# Altium PCB board_layout.pcbdoc (part 3 of 3)
Units mil, origin at the board's own origin, x right, y up, seen from the top; angles counter-clockwise.
Board outline 3627.19 x 3509.21 mil, 2 copper layers (Top Layer, Bottom Layer), stack 61.811 mil thick; 199 components, 120 nets, 649 pads, 293 vias.
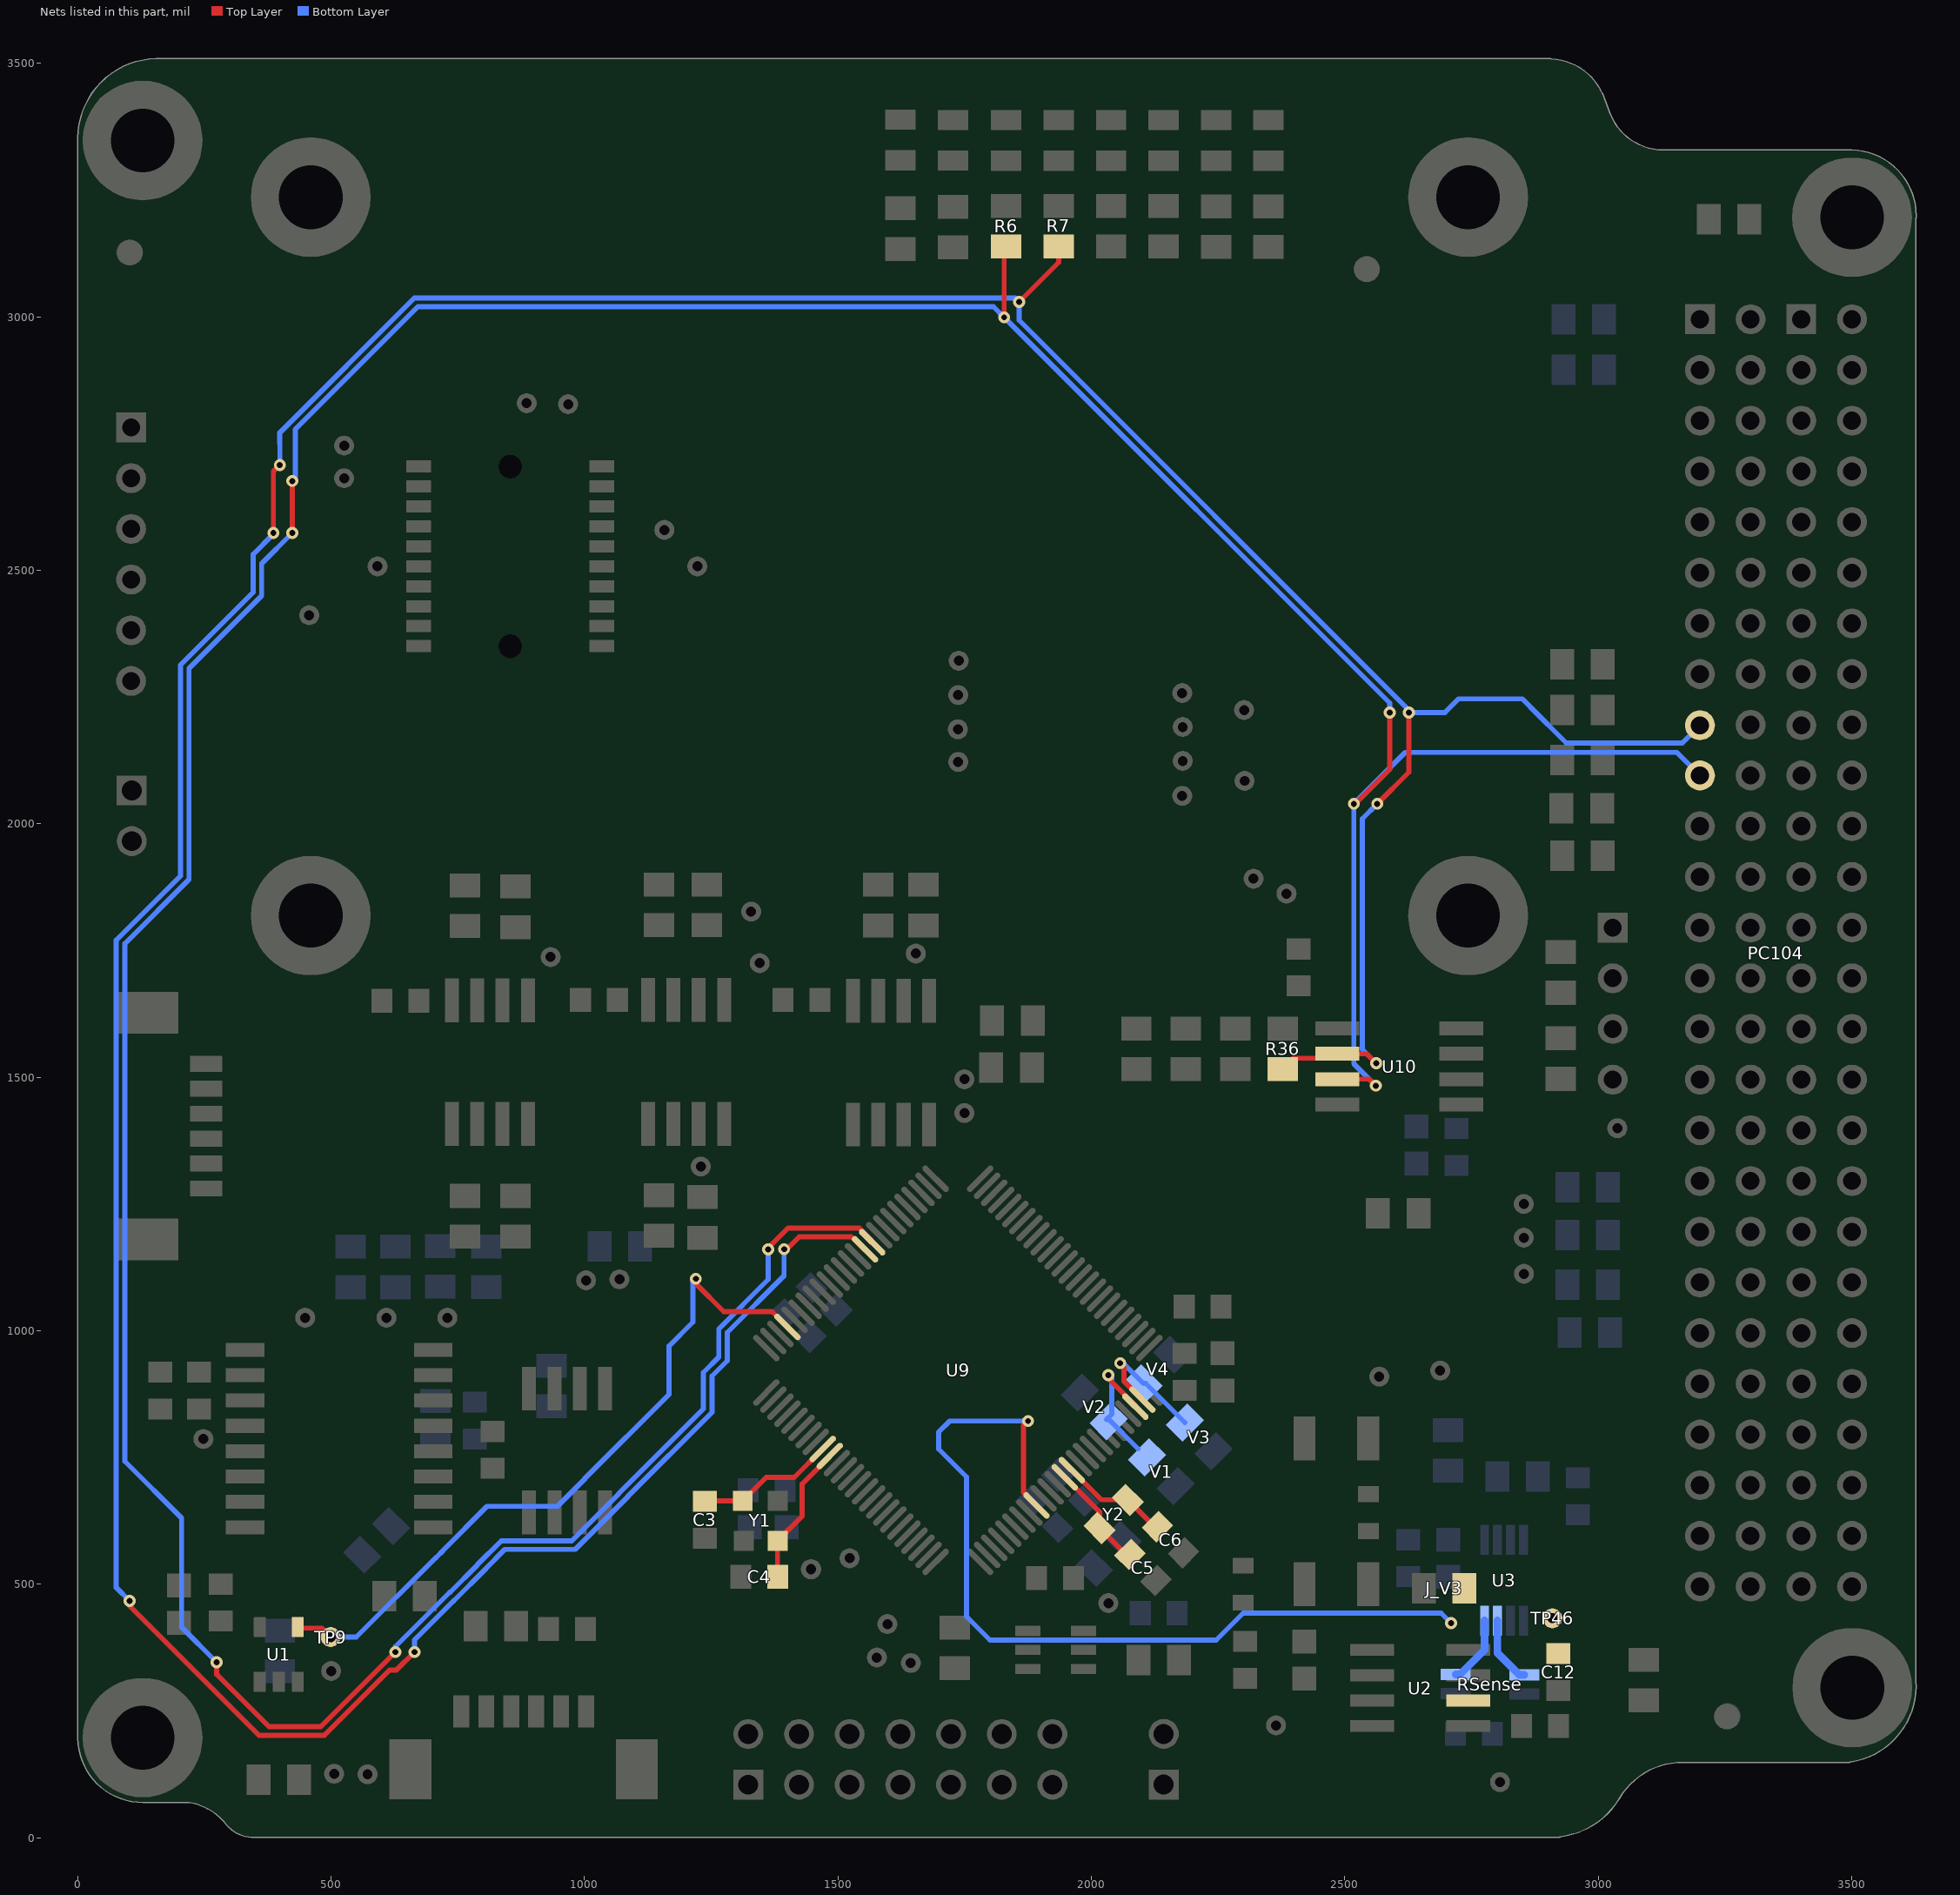
[diagram p3: the nets of this part, all layers, seen from the top]

## Via types
v1: diameter 23.62, hole 11.81, Top Layer to Bottom Layer, tented both sides, 247 vias
v2: diameter 31.5, hole 15.75, Top Layer to Bottom Layer, tented both sides, 28 vias
v3: diameter 31.5, hole 15.75, Top Layer to Bottom Layer, tented bottom, 8 vias
v4: diameter 31.5, hole 15.75, Top Layer to Bottom Layer, tented top, 8 vias
v5: diameter 31.5, hole 15.75, Top Layer to Bottom Layer, 2 vias

## Nets (pads, with @x,y where several pads share a name; then routed paths per layer and width w, separated by ;. In a path a pad name is that pad's centre, name@x,y a point inside that pad or via, vN(x,y) a via of type N, cw(c..) or ccw(c..) an arc to the next point about the centre after c; other vN are vias at no path point) (continued)
UART1_RX: PC104.H1-17 R7.2 R36.1 U9.61 U10.2 | length 8962.3
  Top Layer w10: v1(102.36,466.97) 102.36,457.24 357.83,201.77 486.64,201.77 615.62,330.75 628.98,330.75 v1(664.37,366.14) ; v1@386.15,2584.65 386.15,2695.12 v1(398.76,2707.72) ; v1(1393.7,1160.88) 1399.05,1160.88 1423.55,1185.38 1526.14,1185.38 U9.61@1550.94,1160.58 ; v1(1857.28,3029.53) 1935.46,3107.71 R7.2@1935.46,3139.04 ; R36.1@2377.12,1516.1 2398.42,1537.4 2476.53,1537.4 U10.2@2485.39,1546.26 2543.31,1546.26 v1(2562.01,1527.56) ; v1(2563.98,2039.37) 2626.52,2101.91 v1(2626.52,2219.49) v1@2626.52,2223.96
  Bottom Layer w10: v1(102.36,466.97) 76.06,493.28 76.06,1770.47 202.67,1897.09 202.67,2313.43 346.01,2456.77 346.01,2531.47 v1@386.15,2571.61 ; v1(398.76,2707.72) 398.8,2749.42 398.76,2771.66 664.13,3037.03 1849.78,3037.03 v1(1857.28,3029.53) 1857.28,2993.53 2626.52,2224.29 v1@2626.52,2223.96 ; v1(664.37,366.14) 664.37,390.11 741.27,467.01 741.91,467.01 805.63,530.73 805.63,531.37 842.8,568.54 981.7,568.54 1084.84,671.68 1084.84,672.3 1251.44,838.91 1251.44,910.45 1281.74,940.75 1281.74,996.42 1393.7,1108.38 v1(1393.7,1160.88) ; v1(2562.01,1527.56) 2534.72,1554.85 2534.72,2010.11 v1(2563.98,2039.37) ; v1(2626.52,2219.49) 2697.35,2219.49 2724.12,2246.26 2850.41,2246.26 2865.35,2231.32 2865.35,2231.11 2937.01,2159.45 3165.75,2159.45 PC104.H1-17@3200.59,2194.29
  other v1: 386.15,2573.66
UART1_TX: PC104.H1-19 R6.2 U9.60 U10.3 | length 8888.2
  Top Layer w10: v1(274.11,345.96) 274.11,322.13 377.48,218.77 479.6,218.77 v1(626.97,366.14) ; v1@423.23,2584.65 v1(423.23,2676.18) ; v1(1362.4,1160.43) 1362.4,1163.25 1401.53,1202.38 1542.01,1202.38 1564.85,1179.54 1564.85,1174.5 U9.60@1567.37,1174.5 ; v1(1827.76,2999.02) 1827.76,3134.82 R6.2@1831.97,3139.04 ; U10.3@2485.39,1496.26 2548.03,1496.26 v1(2561.02,1483.27) ; v1@2519.19,2037.89 2588.58,2107.28 v1(2588.58,2219.49)
  Bottom Layer w10: v1(274.11,345.96) 205.06,415.01 205.06,630.57 93.06,742.57 93.06,1763.43 219.67,1890.05 219.67,2306.39 363.01,2449.73 363.01,2513.44 v1(423.23,2573.66) ; v1(423.23,2676.18) 429.13,2682.09 429.13,2777.99 671.17,3020.03 1806.74,3020.03 v1(1827.76,2999.02) 2588.58,2238.19 v1(2588.58,2219.49) ; v1(626.97,366.14) 626.97,376.75 734.23,484.01 734.87,484.01 788.63,537.77 788.63,538.41 835.76,585.54 974.66,585.54 1067.84,678.72 1067.84,679.35 1234.44,845.95 1234.44,917.49 1264.74,947.79 1264.74,1003.46 1362.4,1101.12 v1(1362.4,1160.43) ; v1(2561.02,1483.27) 2517.72,1526.57 v1(2517.72,2039.37) 2619.28,2140.93 3154.94,2140.93 PC104.H1-19@3200.59,2095.28
VERSION_BIT0: U9.23 V1.1 V2.2 | length 264.2
  Top Layer w10: v1(2033.46,912.4) 2033.46,905.84 2086.57,852.74 U9.23@2086.57,850.18
  Bottom Layer w10: v1(2033.46,912.4) 2040.16,905.71 2040.16,835.25 2029.97,825.06 2034.19,825.06 2091.79,767.46
VERSION_BIT1: U9.24 V3.1 V4.2 | length 266.2
  Top Layer w10: v1(2056.77,936.02) 2063.98,928.82 2063.98,900.61 U9.24@2100.49,864.1
  Bottom Layer w10: v1(2056.77,936.02) 2062.53,936.02 V4.2@2102.62,895.93 2107.02,895.93 V3.1@2184.31,818.64
VREF: C12.1 J_V3.1 TP46.1 U2.6 U9.9 | length 1758.2
  Top Layer w10: v1(1875,821.85) 1866.14,812.99 1866.14,680.86 U9.9@1891.69,655.31
  Bottom Layer w10: v1(1875,821.85) 1720.47,821.85 1698.82,800.2 1698.82,766.48 1753.67,711.63 1753.67,435.87 1799.78,389.76 2246.06,389.76 2299.21,442.91 2689.96,442.91 v1(2709.65,423.23)
VSENSE2_N: RSense.4 U3.7 | length 135.1
  Bottom Layer w15: U3.7@2801.18,428.15 2801.18,364.17 2844.49,320.87 RSense.4@2854.33,320.87
VSENSE2_P: RSense.3 U3.8 | length 135
  Bottom Layer w15: RSense.3@2718.5,321.85 2727.16,321.85 2775.59,370.28 U3.8@2775.59,428.15
WDI_EXT: TP9.1 U1.4 U9.72 | length 1419.5
  Top Layer w10: U1.4@434.06,415.35 432.09,413.39 481.3,413.39 TP9.1@499.02,395.67 ; v1(1219.49,1102.51) 1219.49,1093.15 1274.84,1037.8 1370.01,1037.8 U9.72@1400.34,1007.47
  Bottom Layer w10: TP9.1@499.02,395.67 549.72,395.67 706.06,552.01 706.7,552.01 720.63,565.94 720.63,566.58 807.6,653.54 946.49,653.54 999.84,706.89 999.84,707.51 1166.44,874.12 1166.44,969.59 1213.74,1016.89 1213.74,1096.76 v1(1219.49,1102.51)
XT1IN: C5.2 U9.13 Y2.1 | length 210.2
  Top Layer w10: U9.13@1947.37,710.99 2016.01,642.35 Y2.1@2016.01,610.71 2067.97,558.74 C5.2@2075.95,558.74
XT1OUT: C6.2 U9.14 Y2.2 | length 219.7
  Top Layer w10: U9.14@1961.29,724.91 2019.81,666.39 Y2.2@2071.69,666.39 2127.22,610.85 C6.2@2133.79,610.85
XT2_N: C3.1 U9.84 Y1.1 | length 275.5
  Top Layer w10: C3.1@1237.2,663.39 1238.19,664.37 Y1.1@1312.01,664.37 1358.27,710.63 1413.9,710.63 U9.84@1469.94,766.66
XT2_P: C4.1 U9.85 Y1.3 | length 281.1
  Top Layer w10: C4.1@1380.8,514.2 1380.8,585.52 Y1.3@1380.91,585.63 1429.13,633.86 1429.13,697.58 U9.85@1484.08,752.52
pads on no net: FD1.FD0 FD2.FD0 FD3.FD0 FD4.FD0 FD5.FD0 FD6.FD0 MEC1.0 MEC2.0 MEC3.0 MEC5.0 MEC6.0 MEC7.0 P1.0 P2.3 P2.4 P2.5 P2.6 P2.8 P2.10 P2.11 P2.13 P3.None P4.0 PC104.H1-2 PC104.H1-4 PC104.H1-5 PC104.H1-6 PC104.H1-10 PC104.H1-13 PC104.H1-14 PC104.H1-15 PC104.H1-16 PC104.H1-22 PC104.H1-24 PC104.H1-25 PC104.H1-26 PC104.H1-27 PC104.H1-28 PC104.H1-33 PC104.H1-34 PC104.H1-36 PC104.H1-38 PC104.H1-42 PC104.H1-44 PC104.H1-47 PC104.H1-48 PC104.H1-49 PC104.H1-50 PC104.H1-51 PC104.H1-52 PC104.H2-1 PC104.H2-2 PC104.H2-5 PC104.H2-6 PC104.H2-7 PC104.H2-9 PC104.H2-10 PC104.H2-15 PC104.H2-16 PC104.H2-17 PC104.H2-19 PC104.H2-21 PC104.H2-23 PC104.H2-24 PC104.H2-25 PC104.H2-26 PC104.H2-27 PC104.H2-28 PC104.H2-33 PC104.H2-34 PC104.H2-37 PC104.H2-38 PC104.H2-43 PC104.H2-44 PC104.H2-47 PC104.H2-48 PC104.H2-50 PC104.H2-52 U2.1 U2.3 U2.7 U2.8 U3.4 U3.5 U5.4 U5.5 U5.6 U5.11 U5.12 U5.13 U5.14 U9.4 U9.16 U9.20 U9.29 U9.30 U9.41 U9.58 U9.59 U9.62 U9.76 U9.77 U9.78 U9.79 U9.80 U9.81 U9.82 U9.86 U9.87 U11.7
copper on no net: | length 651.6
  Top Layer w7.87: 419.29,3423.74 426.18,3423.74 ; 419.29,3456.22 426.18,3463.11 426.18,3423.74 ; 433.07,3423.74 426.18,3423.74 ; 395.67,3411.93 395.67,3474.92 454.72,3474.92 454.72,3411.93 395.67,3411.93
  Bottom Layer w7.87: 486.22,3456.22 493.11,3463.11 505.91,3463.11 511.81,3457.2 511.81,3449.33 486.22,3423.74 511.81,3423.74 ; 470.47,3411.93 470.47,3474.92 529.53,3474.92 529.53,3411.93 470.47,3411.93

## Polygon pours and split planes (outlines as drawn)
GND on Top Layer "Top Layer-GND 8" (solid, remove dead copper, pour order 146): 3626.35,3245.77 3549.21,3321.85 3123.9,3321.85 2941.69,3504.07 373.03,3504.07 87.6,3504.1 8.86,3425.36 8.86,152.56 93.5,67.91 243.43,67.91 313.98,-2.64 2922.02,-2.64 2983.35,-2.87 3138.78,152.56 3547.24,152.56 3626.35,231.66
3V3_MEMORY on Top Layer "Top Layer-3V3_MEMORY 1" (solid, pour order 144): 903.89,842.52 841.96,780.58 835.56,780.58 794.78,821.36 826.19,852.76 826.19,933.68 903.89,933.38
VREF on Top Layer "Top Layer-VREF" (solid, pour order 54): 2815.94,263.78 2864.17,263.78 2880.91,280.51 2880.91,342.52 2944.88,342.52 2944.88,441.93 2851.38,535.43 2692.91,535.43 2692.91,444.76 2692.91,414.37 2703.74,403.54 2718.5,403.54 2790.22,403.54 2817.76,376.01 2817.76,297.88 2796.81,276.93 2739.17,276.93 2739.17,263.78
JTAG_VCC on Top Layer "Top Layer-JTAG_VCC" (solid, pour order 28): 892.38,58.07 771.65,178.66 771.65,276.57 741.14,276.57 741.14,164.37 905.26,0.25 2177.16,0.25 2177.17,113.19 2076.77,113.19 2012.8,49.21 1272.89,49.21 1272.89,167.32 1345.47,167.32 1363.19,185.04 1363.19,226.69 1347.74,242.14 1271.67,242.14 1087.6,58.07
ANTENNA_VCC on Top Layer "Top Layer-ANTENNA_VCC" (solid, pour order 92): 1128.56,2005.91 1142.34,2019.69 1651.15,2019.69 1664.93,2005.91 1664.93,1977.5 398.76,1977.5 316.93,1895.67 316.93,1522.64 290.35,1496.06 290.35,1456.69 220.22,1456.69 220.22,1556.84 280.51,1617.13 280.51,1910.43 383.86,2013.78 495.08,2125 495.08,2296.26 144.68,2646.65 93.5,2646.65 76.24,2663.92 76.24,2811.02 177.56,2811.02 332.09,2965.55 1501.97,2965.55 1593.39,3056.97 1593.39,3144.68 1652.56,3144.69 1652.56,3103.35 1506.89,2957.68 1260.58,2957.68 336.12,2957.68 167.32,2788.88 167.32,2663.39 249.51,2581.2 276.57,2554.13 402.06,2554.13 439.97,2516.22 493.62,2516.22 608.27,2401.57 691.93,2401.57 691.93,2377.95 530.51,2377.95 530.51,2090.26 616.56,2005.91
3V3_Buffers on Top Layer "Top Layer-3V3_Buffers" (solid, pour order 16): 1088.58,1067.91 1116.14,1095.47 1116.14,1112.2 1116.14,1229.33 1276.57,1229.33 1276.57,1160.58 1154.2,1160.58 1135.72,1142.1 1135.72,1088.47 1097.92,1050.68 963.1,1050.68 875,1138.78 783.47,1138.78 579.72,1342.52 579.72,1430.12 652.56,1502.95 652.56,1841.54 714.57,1903.54 1708.66,1903.54 1944.39,1667.81 2021.75,1667.81 2058.17,1631.89 2282.48,1631.89 2352.36,1701.77 2438.98,1701.77 2514.76,1625.98 2544.29,1625.98 2610.82,1559.45 2610.82,1339.52 2600.39,1329.08 2600.39,1197.21 2540.35,1197.21 2540.35,1312.01 2589.57,1361.22 2589.57,1543.31 2566.93,1565.94 2054.13,1565.94 2034.45,1585.63 2002.95,1585.63 1937.99,1520.67 1937.99,1483.27 1847.44,1483.27 1847.44,1660.43 1789.85,1660.43 1750.98,1699.3 1750.98,1793.31 1704.72,1839.57 1541.74,1839.57 1541.74,1733.05 1552.17,1722.62 1552.17,1605.67 1468.32,1605.67 1443.59,1630.39 1443.59,1679.81 1518.34,1754.56 1518.34,1830.09 1480.32,1868.11 1312.01,1868.11 1280.51,1836.61 1106.94,1836.61 1083.87,1813.54 1083.87,1728.14 1101.38,1710.63 1123.03,1710.63 1138.78,1694.88 1138.78,1605.67 1067.56,1605.67 1044.29,1628.94 1044.29,1690.34 1058.07,1703.45 1058.07,1827.76 1044.29,1841.54 1017.72,1868.11 914.37,1868.11 882.87,1836.61 720.47,1836.61 720.47,1773.62 754.92,1739.17 754.92,1575.87 598.43,1419.37 598.43,1346.91 720.7,1224.63 889.03,1224.16 964.98,1148.21 965.98,1086.45 984.52,1067.91
3V3_Watchdog_Circuit on Top Layer "Top Layer-3V3_Watchdog_Circuit" (solid, pour order 22): 627.95,506.89 560.39,506.89 549.57,496.06 375.55,496.06 327.32,447.83 176.18,447.83 176.18,402.56 225.39,353.35 266.73,353.35 281.5,338.58 455.51,338.58 467.52,350.59 467.52,383.86 410.43,383.86 410.43,445.87 513.78,445.87 627.95,445.87
AGND on Top Layer "Top Layer-AGND 1" (solid, pour order 60): 3045.28,514.76 2960.41,599.63 2929.36,599.63 2907.51,577.78 2907.51,496.11 2955.08,448.54 2955.08,330.31 2897.64,330.31 2897.64,198.82 2915.35,181.1 2981.3,181.1 3045.28,245.08
OBDH_AVCC on Top Layer "Top Layer-OBDH_AVCC" (solid, pour order 36): 1943.6,307.27 1943.6,346.88 1901.7,388.78 1836.02,388.78 1836.02,427.55 1886.19,477.73 1915.35,477.73 1915.35,535.43 1844.49,535.43 1813.21,504.15 1790.62,503.67 1736.55,557.74 1702.76,523.95 1702.76,469.02 1721.97,449.8 1773.62,449.8 1773.62,369.66 1836.02,307.27 1873.6,269.69 2186.02,269.68 2351.38,104.33 2599.41,104.33 2685.04,189.96 2685.04,537.4 2598.94,623.5 2521.65,623.5 2521.65,455.58 2579.85,455.58 2631.42,404.01 2631.42,356.81 2606.3,331.69 2558.07,331.69 2558.07,309.06 2598.43,309.05 2626.55,280.93 2626.55,199.81 2584.22,157.48 2482.33,157.48 2443.9,195.91 2443.9,285.43 2443.9,343.5 2435.04,352.36 2250.51,352.36 2243.2,345.05 2205.42,307.27
AGND on Top Layer "Top Layer-AGND" (solid, pour order 32): 1925.2,545.28 1852.29,545.28 1929.13,622.12 1929.13,637.64 1907.8,658.97 1915.96,667.14 1935.46,647.64 1949.63,647.64 1956.56,654.57 1956.66,665.36 1935.63,686.81 1943.15,694.33 1961.29,676.56 1971.46,666.34 1971.46,573.47 1987.2,557.72 1987.2,461.61 1940.94,415.35 1940.94,397.12 1954.08,383.98 2020.8,383.98 2064.57,427.76 2192.52,427.76 2244.09,479.33 2335.18,479.33 2399.15,543.31 2462.6,543.31 2462.6,443.11 2495.08,410.63 2495.08,261.81 2513.78,243.11 2613.19,243.11 2613.19,205.71 2573.69,166.21 2489.3,166.21 2455.71,199.8 2455.71,348.43 2441.93,362.2 2246.06,362.2 2197.63,313.77 2129.54,313.77 2129.54,391.73 2059.11,391.73 2027.61,360.24 1948.82,360.24 1925.2,383.86 1925.2,435.04
OBDH_DVCC on Top Layer "Top Layer-OBDH_DVCC" (solid, pour order 14): 2617.13,930.12 2588.58,958.66 2588.58,1097.44 2676.18,1185.04 2676.18,1267.36 2610.24,1267.36 2610.24,1172.87 2496.06,1058.69 2496.06,935.04 2454.72,893.7 2090.55,893.7 2134.84,849.41 2464.93,849.41 2521.65,792.69 2521.65,661.42 2569.88,661.42 2569.88,840.55 2617.13,887.8
3V3_MEMORY on Top Layer "Top Layer-3V3_MEMORY" (solid, pour order 20): 290.03,926.18 273.62,942.59 273.62,1002.95 134.97,1002.95 134.97,897.51 339.21,897.51 339.21,926.18
OBDH_DVCC on Top Layer "Top Layer-OBDH_DVCC 2" (solid, pour order 42): 735.24,446.85 758.73,423.35 758.73,387.01 808.07,387.01 808.07,445.87 829.72,467.52 829.72,506.89 661.42,506.89 661.42,446.85
OBDH_VCC on Top Layer "Top Layer-OBDH_VCC" (solid, pour order 24): 3058.07,389.76 3058.07,740.16 3155.51,837.6 3317.91,837.6 3337.6,817.91 3337.6,773.62 3315.94,751.97 3170.08,751.97 3133.86,715.75 3133.86,317.91 3058.07,317.91
OBDH_DVCC on Top Layer "Top Layer-OBDH_DVCC 3" (solid, pour order 96): 1067.91,2251.97 1045.28,2229.33 852.33,2229.33 719.45,2362.2 644.69,2362.2 644.68,2331.69 706.69,2331.69 840.55,2197.83 1192.91,2197.83 1756.89,2761.81 1756.89,3145.67 1696.85,3145.67 1696.85,3082.68 1745.08,3034.45 1745.08,2765.75 1231.3,2251.97
BATTERY_VCC on Top Layer "Top Layer-BATTERY_VCC" (solid, pour order 102): 648.62,2417.32 648.62,2440.95 719.49,2440.94 873.03,2594.49 873.03,2674.46 890.06,2691.49 925.63,2691.49 943.9,2673.23 943.9,2633.86 727.36,2417.32
ESD on Top Layer "Top Layer-ESD" (solid, pour order 124): 3274.61,3329.34 3274.61,3163.39 3333.66,3163.39 3432.09,3064.96 3626.35,3064.96 3626.35,3260.46 3557.46,3329.35
COMMON_VCC on Top Layer "Top Layer-COMMON_VCC" (solid, pour order 26): 2990.38,169.52 2895.17,169.52 2880.33,184.79 2695.18,184.79 2679.91,169.52 2606.43,93.5 2346.46,93.5 2190.94,249.02 2101.38,249.02 2083.66,231.3 2083.66,182.09 2104.33,161.42 2194.88,161.42 2194.88,1.78 2966.12,1.78 3133.86,169.52 3133.86,302.49 3058.07,302.49 3058.07,237.2
no net on Top Layer "Top Layer-No Net 6" (solid, pour order 64): 2291.34,924.21
OBDH_DVCC on Top Layer "Top Layer-OBDH_DVCC 1" (solid, pour order 50): 1551.78,1078.74
no net on Top Layer "Top Layer-No Net 7" (solid, pour order 40): 695.87,405.51
no net on Top Layer "Top Layer-No Net" (solid, pour order 12): 2506.89,657.48
no net on Top Layer "Top Layer-No Net 1" (solid, pour order 10): 2518.7,649.61
no net on Top Layer "Top Layer-No Net 2" (solid, pour order 6): 2506.89,657.48
no net on Top Layer "Top Layer-No Net 3" (solid, pour order 4): 2518.7,661.42
no net on Top Layer "Top Layer-No Net 4" (solid, pour order 2): 2585.63,661.42
no net on Top Layer "Top Layer-No Net 5" (solid, pour order 0): 2573.82,661.42
GND on Bottom Layer "Bottom Layer-GND 8" (solid, remove dead copper, pour order 142): 80.71,3509.84 1.97,3431.1 1.97,158.3 86.61,73.66 236.54,73.66 307.09,3.11 2976.24,3.11 3131.89,158.3 3559.06,158.3 3621.33,220.58 3621.33,3240.71 3534.45,3327.59 3114.06,3327.59 2931.81,3509.84
OBDH_DVCC on Bottom Layer "Bottom Layer-OBDH_DVCC" (solid, pour order 48): 819.69,438.63 812.48,431.42 781.89,431.42 754.25,459.06 798.14,502.95 828.14,502.95 868.21,462.88 1262.11,462.88 1375,575.77 1375,684.05 1375,699.57 1540.06,864.63 1561.02,864.17 1561.02,942.74 1417.06,1086.7 1415.5,1167.17 1402.56,1180.12 1347.44,1180.12 1291.34,1124.02 1246.76,1124.02 1216.25,1093.5 1103.8,1093.5 1103.8,1204.72 1278.54,1204.72 1287.4,1195.87 1306.1,1195.87 1317.32,1207.09 1317.32,1229.66 1300.48,1246.51 1131.45,1246.5 1096.98,1280.97 1039.11,1280.97 984.25,1335.83 984.25,1412.4 1032.48,1460.63 1082.68,1510.83 1082.68,1638.78 1032.48,1688.98 1032.48,2224.55 1061.23,2253.3 1130.91,2253.3 1130.91,2214.16 1057.23,2140.48 1057.23,1720.02 1108.27,1668.98 1108.27,1584.16 1142.37,1550.06 1142.37,1485.01 1113.07,1455.71 1061.02,1455.71 1009.84,1404.53 1009.84,1374.25 1052.82,1331.27 1163.69,1331.27 1227.68,1268.7 1313.97,1268.7 1377.95,1204.72 1471.89,1204.72 1614.17,1061.48 1614.17,979.33 1704.72,888.78 1935.04,888.78 2028.27,982.01 2141.94,982.51 2204.7,1045.28 2493.11,1045.28 2696.85,841.54 3012.79,841.54 3102.36,751.97 3102.36,414.37 2949.8,261.81 2822.83,261.81 2822.83,295.79 2927.68,295.79 3057.09,425.2 3057.09,727.78 2979.75,805.12 2799.89,805.12 2763.48,768.7 2640.75,768.7 2499.02,910.43 2499.02,1000.99 2478.35,1021.65 2270.52,1021.65 2146.95,898.09 2086.6,958.44 2044.91,958.29 2015.75,929.13 2015.75,870.95 1974.47,829.67 1940.94,863.19 1658.01,863.19 1618.37,824.8 1577.61,824.8 1514.56,761.75 1514.56,732.49 1698.82,548.23 1698.82,462.88 1657.95,462.88 1657.95,543.82 1574.8,626.97 1501.97,626.97 1386.8,511.8 1357.27,511.8 1284.1,438.63
3V3_CURRENT_SENSING on Bottom Layer "Bottom Layer-3V3_CURRENT_SENSING" (solid, pour order 82): 2782.48,660.43 2764.76,678.15 2764.76,755.91 2660.43,755.91 2581.69,677.16 2581.69,559.06 2782.48,559.06
AGND on Bottom Layer "Bottom Layer-AGND 1" (solid, pour order 56): 3046.89,665.99 3047.24,666.34 3047.24,731.64 2978.06,800.83 2836.12,800.83 2836.12,676.67 2817.91,658.46 2817.91,550.2 2753.35,550.2 2748.14,555.41 2581.68,555.41 2534.14,507.87 2229.48,507.87 1972.08,755.17 1966.54,760.71 1966.54,786.42 1949.85,786.42 1875.52,712.08 1937.87,649.73 1937.87,395.67 2225.39,395.67 2290.35,460.63 2589.57,460.63 2703.51,460.63 2745.84,502.95 2848.99,502.95 2874.46,477.48 2874.46,365.7 2918.31,321.85 2939.32,321.85 3046.89,429.42
BATTERY_VCC on Bottom Layer "Bottom Layer-BATTERY_VCC" (solid, pour order 100): 2923.72,941.93 2742.69,1122.96 2698.43,1122.96 2657.02,1164.37 2269.63,1164.37 2061.69,1164.37 1907.48,1318.57 1907.48,1640.75 1673.23,1875 1651.57,1875 1534.45,1992.13 1534.45,2444.88 1336.61,2642.72 974.97,2642.72 934.77,2681.1 884.84,2681.1 884.84,2618.11 1322.03,2618.11 1505.91,2434.23 1505.91,1978.52 1720.65,1763.78 1747.05,1763.78 1876.11,1634.72 1875.51,1303.62 2039.37,1139.76 2645.77,1139.76 2881.67,903.87 3056.76,903.87 3125.98,834.65 3331.29,834.65 3365.16,800.78 3408.79,757.87 3519.69,757.87 3538.39,776.57 3538.39,830.71 3514.76,854.33 3148.62,854.33 3061.02,941.93
ANTENNA_VCC on Bottom Layer "Bottom Layer-ANTENNA_VCC" (solid, pour order 90): 1944.52,1654.52 1666.61,1932.43 1667.49,2009.84 1587.16,2009.84 1587.16,1953.19 1654.53,1885.83 1674.7,1885.83 1919.31,1644.18 1921.42,1320.4 2063.67,1178.15 2324.8,1178.15 2421.26,1274.61 2465.69,1274.61 2502.25,1236.22 2792.32,1236.22 2835.63,1279.53 2862.54,1279.53 2917.66,1334.65 3125,1334.65 3334.65,1334.65 3358.27,1311.02 3358.27,1274.61 3515.75,1274.61 3515.75,1342.52 3377.95,1342.52 3366.14,1354.33 3144.68,1354.33 3138.78,1360.24 2760.83,1360.24 2754.92,1354.33 2598.42,1354.33 2551.18,1307.09 2409.8,1307.09 2300.86,1198.82 2077.76,1198.82 1945.3,1331.27
3V3_MEMORY on Bottom Layer "Bottom Layer-3V3_MEMORY" (solid, pour order 18): 964.57,953.83 963.67,954.72 920.28,954.72 883.86,991.14 883.86,1009.78 883.86,1116.5 920.9,1153.54 975.66,1153.54 987.47,1141.73 997.32,1131.89 1060.04,1131.89 1060.04,1194.88 472.25,1194.88 280.84,1003.47 155.67,1002.16 155.67,954.72 250,954.72 268.7,954.72 437.01,1123.03 842.52,1123.03 857.28,1108.27 857.28,1032.35 857.28,977.05 783.77,903.54 676.18,903.54 676.18,836.61 755.91,836.61 854.95,836.61 925.81,907.48 964.57,907.48
OBDH_AVCC on Bottom Layer "Bottom Layer-OBDH_AVCC" (solid, pour order 84): 1807.33,440.7 1812.8,435.23 1844.09,435.63 1999.73,591.26 1875.71,715.28 1944.88,784.45 1944.88,802.38 1929.93,816.93 1914.28,816.93 1899.73,802.38 1786.42,802.38 1786.42,643.28 1786.42,461.61
COMMON_VCC on Bottom Layer "Bottom Layer-COMMON_VCC" (solid, pour order 58): 2664.37,200.79 2664.37,295.28 2758.86,295.28 2758.86,267.58 2739.17,247.9 2739.17,178.15 2677.17,116.14 2260.83,116.14 2195.87,181.1 2100.39,181.1 2083.66,197.83 2083.66,241.14 2099.41,256.89 2194.88,256.89 2290.35,161.42 2625,161.42
AGND on Bottom Layer "Bottom Layer-AGND" (solid, pour order 74): 2766.77,255.94 2766.77,332.68 2811.02,332.68 2811.02,250.98 2966.54,250.98 2989.21,250.98 2999.02,241.18 2999.02,226.38 2949.07,176.44 2750.25,176.44 2750.25,239.42
no net on Bottom Layer "Bottom Layer-No Net 3" (solid, pour order 104): 1414.37,2543.31
no net on Bottom Layer "Bottom Layer-No Net 2" (solid, pour order 98): 3520.52,740.16
no net on Bottom Layer "Bottom Layer-No Net" (solid, pour order 80): 2782.48,621.06
no net on Bottom Layer "Bottom Layer-No Net 1" (solid, pour order 46): 1475.39,885.83

## Keep-outs
Keep-Out Layer:
  lines w7.87: 395.67,3411.93 395.67,3474.92 525.59,3474.92 525.59,3411.93 395.67,3411.93
  lines w10: 5.08,3351.88 5.08,196.38 ccw(c128.11,197.36) 129.09,74.33 220.63,74.33 cw(c201.2,-45.33) 297.68,28.07 ccw(c347.8,71.74) 348.58,5.27 2921.46,5.27 ; 5.24,3348.85 cw(c157.78,3351.88) 154.75,3504.42 ; 155.67,3504.45 2865.72,3504.45 ; 2863.11,3503.3 cw(c2865.72,3338.6) 3020.61,3394.64 ; 2893.35,6.3 ccw(c2906.68,158.25) 3037.81,80.34 cw(c3166.01,4.51) 3155.31,153.07 3494.45,153.07 ; 3019.75,3397.59 ccw(c3127.81,3440.66) 3127.31,3324.33 ; 3127.81,3324.33 3500.16,3324.33 cw(c3497.3,3199.43) 3622.2,3196.58 ; 3493.08,153.18 ccw(c3477.29,299.39) 3624.13,307.44 ; 3624.29,307.4 3624.29,3197.46
  lines w30: -10.83,3360.63 cw(c167.58,3338.8) 138.68,3516.2 ; -6.1,184.25 ccw(c116.93,185.24) 117.91,62.2 209.45,62.2 cw(c190.02,-57.46) 286.5,15.95 ; 289.85,12.96 ccw(c339.97,56.63) 340.75,-9.84 ; 2874.61,3514.57 cw(c2880.29,3359.46) 3019.18,3428.74 ; 2899.15,-3.58 ccw(c2912.48,148.37) 3036.42,59.45 ; 3020.37,3427.48 ccw(c3147.42,3467.97) 3137.99,3334.96 3492.24,3334.96 ; 3040.75,66.14 cw(c3168.95,-9.69) 3158.25,138.88 ; 3161.85,140.94 3500.98,140.94 ccw(c3485.2,287.15) 3617.31,222.55 ; 3479.6,3334.53 cw(c3476.1,3181.23) 3629.39,3177.73

## Other copper
Top Layer:
  pour cut-out: 2511.46,664.95 2511.46,623.5 2580.08,623.5 2580.08,665.7
  pour cut-out: 2616.27,261.32 2495.08,261.32 2495.08,235.24 2616.04,235.24
  pour cut-out: 2148.07,339.57 2121.09,339.57 2121.09,311.02 2147.81,311.02
  pour cut-out: 2911.9,331.72 2886.32,331.72 2886.32,182.09 2910.57,182.09
  pour cut-out: 253.91,530.87 226.93,530.87 226.93,517.06 253.79,517.06
  pour cut-out: 3255.11,288.39
  pour cut-out: 54.13,3127.15
  pour cut-out: 2543.49,3142.72
  pour cut-out: 3259.04,360.24
  pour cut-out: 154.71,811.02
  pour cut-out: 2724.78,2555.12
  pour cut-out: 1777.39,2940.94
  pour cut-out: 1613.19,3035.32
  pour cut-out: 3400.59,299.21
  pour cut-out: 3392.72,165.35
  pour cut-out: 239.17,2351.38
  pour cut-out: 657.48,3384.84
  region: 647.64,3391.73
  text "'.Layer_Name'" at 6492.91,-1448.7 h98.43
Bottom Layer:
  pour cut-out: 3550.2,3060.04
  pour cut-out: 3144.68,3091.54
  text "'.Layer_Name'" at 6492.91,-1448.7 h98.43

## Silkscreen, mask and mechanical layers (free items; w line width, h text height)
Top Overlay:
  drawing of 1001 lines, arcs and shapes, not listed
  text "D_BOARD_GND" at 2577.76,3375 h32
  text "OBDH2 v0.7" at 733.27,3190.44 h32
  text "FD_TL" at 36.42,3040.35 h32
  text "FD_TR" at 2473.43,2990.16 h32
  text "GND" at 2837.42,2776.57 h32
  text "ANT_VCC" at 184.06,2767.72 h32
  text "ANT_VCC" at 1639.35,2718.48 h32 r90
  text "UART1_TX" at 1847.45,2691.82 h32 r90
  text "UART1_RX" at 1951.5,2691.82 h32 r90
  text "7" at 3124.21,2689.76 h29.53 r90
  text "UART0_TX" at 2055.55,2686.49 h32 r90
  text "UART0_RX" at 2159.6,2686.49 h32 r90
  text "8" at 3599.02,2680.32 h29.53 r90
  text "CS" at 565.89,2677.26 h32
  text "ANT_VCC" at 184.06,2668.85 h32
  text "I2C" at 1096.46,2666.34 h32
  text "OBDH_DVCC" at 1743.4,2654.5 h32 r90
  text "FAULT_LED" at 2263.65,2654.5 h32 r90
  text "SYSTEM_LED" at 2367.95,2622.51 h32 r90
  text "SPI" at 545.89,2579.82 h32
  text "I2C_SDA" at 184.06,2569.99 h32
  text "ADC" at 1098.43,2536.42 h32
  text "GPIO" at 1096.46,2479.33 h32
  text "I2C_SCL" at 184.06,2471.12 h32
  text "GPIO" at 508.85,2470.47 h32
  text "BAT" at 535.9,2420.72 h32
  text "ADD_GPIO" at 2621.06,2411.42 h32
  text "ANT" at 535.9,2372.72 h32
  text "GND" at 1096.46,2369.41 h32
  text "GPIO" at 184.06,2365.6 h32
  text "DVCC" at 505.91,2325.16 h32
  text "15" at 3124.21,2268.5 h29.53 r90
  text "16" at 3599.02,2268.5 h29.53 r90
  text "GND" at 184.06,2266.73 h32
  text "D_BOARD" at 712.6,2239.17 h32
  text "ANT" at 54.13,2175.2 h32
  text "GND" at 371.06,2162.4 h32
  text "TX" at 178.15,2056.1 h32
  text "GND" at 1762.62,1995.08 h32
  text "RX" at 178.15,1952.76 h32
  text "ADD_I2C1" at 2355.67,1882.87 h32
  text "23" at 3124.21,1871.65 h29.53 r90
  text "24" at 3599.02,1864.96 h29.53 r90
  text "UART" at 63.98,1795.28 h32
  text "GND" at 368.92,1612.2 h32
  text "GND" at 3599.02,1548.43 h29.53 r90
  text "GND" at 3122.64,1531.5 h29.53 r90
  text "ANT_VCC" at 312.99,1512.8 h32
  text "31" at 3124.21,1469.29 h29.53 r90
  text "32" at 3599.02,1466.54 h29.53 r90
  text "ANT_VCC" at 312.99,1463.4 h32
  text "I2C_SDA" at 312.99,1414.01 h32
  text "I2C_SCL" at 312.99,1364.61 h32
  text "GPIO" at 312.99,1310.22 h32
  text "GND" at 312.99,1260.83 h32
  text "ANT" at 83.66,1073.82 h32
  text "39" at 3124.21,1070.47 h29.53 r90
  text "40" at 3599.02,1063.39 h29.53 r90
  text "45" at 3124.21,770.08 h29.53 r90
  text "GND" at 61.35,769.69 h32
  text "46" at 3599.02,764.57 h29.53 r90
  text "GND" at 1011.72,521.65 h32
  text "FD_BR" at 3180.12,306.1 h32
  text "VCC" at 770.67,290.16 h32 r90
  text "TDO" at 819.93,290.16 h32 r90
  text "TCK" at 869.19,290.16 h32 r90
  text "TX" at 918.45,290.16 h32 r90
  text "RX" at 967.71,290.16 h32 r90
  text "GND" at 1019.68,290.16 h32 r90
  text "JTAG" at 1387.8,280.51 h32
  text "JTAG" at 551.18,225.39 h32
  text "J_SUPPLY" at 2214.57,63.98 h32
  text "'.Layer_Name'" at 6492.91,-1448.7 h98.43
Bottom Overlay:
  drawing of 157 lines, arcs and shapes, not listed
  text "GND" at 1477.36,3376.43 h32
  text "D_BOARD_GND" at 2918.31,3373.03 h32
  text "+Y" at 757.19,3320.56 h32
  text "SATELLITE ESD" at 3354.33,3221.76 h32
  text "+X" at 906.8,3172.92 h32
  text "PROTECTION NUT" at 3354.33,3171.56 h32
  text "FD_TR" at 2610.24,3160.43 h32
  text "-Z" at 694.2,3126.66 h32
  text "12C2_BUF" at 1082.68,3090.55 h32 r90
  text "ADD_I2C0" at 2892.72,3076.77 h32
  text "ADD_I2C0" at 3381.89,3073.82 h32
  text "FD_TL" at 175.2,3040.35 h32
  text "GND" at 685.58,2867.13 h32
  text "GPIO" at 3599.41,2864.01 h32 r90
  text "M_RADIO" at 3130.91,2706.69 h32 r90
  text "GND" at 2923.05,2587.6 h32
  text "TTC_SPI" at 3597.44,2544.29 h32 r90
  text "D_BOARD_SIGNALS" at 1264.76,2404.53 h32
  text "12C_BUF" at 1789.32,2383.86 h32
  text "TTC_SIGNALS" at 2534.45,2336.61 h32
  text "UART1" at 3138.78,2238.19 h32 r90
  text "ADD_GPIO" at 3597.44,2206.69 h32 r90
  text "PAYLOAD_EN" at 3058.07,2065.94 h32
  text "ADD_I2C1" at 3136.81,2027.56 h32 r90
  text "RS-485" at 3062.99,1861.22 h32
  text "RX+" at 2973.25,1779.53 h32
  text "RX-" at 2973.25,1677.17 h32
  text "GND" at 3597.44,1580.71 h32 r90
  text "TX-" at 2973.25,1573.82 h32
  text "GND" at 761.81,1512.8 h32
  text "TX+" at 2973.25,1472.79 h32
  text "ANT_VCC" at 3598.43,1398.62 h32 r90
  text "GND" at 2453.72,1376.97 h32
  text "ADD_SPI" at 3144.68,1375.98 h32
  text "SPI" at 2879.92,1319.88 h32
  text "GND" at 254.75,1195.87 h32
  text "ADD_SPI" at 3599.41,1140.75 h32 r90
  text "PAYLOAD_I2C" at 3137.8,876.97 h32
  text "BAT_VCC" at 3598.43,874.02 h32 r90
  text "OBDH_VCC" at 3133.86,831.69 h32 r90
  text "JTAG_REDUNDANT" at 837.6,680.12 h32
  text "GND" at 2445.87,653.2 h32
  text "JTAG_RED" at 1786.42,626.97 h32
  text "WD_SGINALS" at 759.84,485.24 h32
  text "EPS_I2C" at 3440.94,405.51 h32
  text "J_SUPPLY" at 2043.31,382.87 h32 r90
  text "OFF-PC104" at 2240.16,374.02 h32 r90
  text "ON-JTAG" at 2298.23,334.65 h32 r90
  text "FD_BR" at 3319.88,306.1 h32
  text "JTAG_VCC" at 1235.24,184.06 h32
  text "TDO_TDI" at 1235.24,87.6 h32
  text "JTAG" at 611.22,30.51 h32
  text "TCK" at 1661.42,18.7 h32
  text "GND" at 1780.51,16.73 h32
  text "'.Layer_Name'" at 6492.91,-1448.7 h98.43
Top Paste:
  text "'.Layer_Name'" at 6492.91,-1448.7 h98.43
Bottom Paste:
  text "'.Layer_Name'" at 6492.91,-1448.7 h98.43
Top Solder:
  rectangle: 387.8,3404.06 533.46,3482.8
  lines w7.87: 387.8,3411.93 ccw(c395.67,3411.93) 395.67,3404.06 525.59,3404.06 ccw(c525.59,3411.93) 533.46,3411.93 533.46,3474.92 ccw(c525.59,3474.92) 525.59,3482.8 395.67,3482.8 ccw(c395.67,3474.92) 387.8,3474.92 387.8,3411.93
  text "'.Layer_Name'" at 6492.91,-1448.7 h98.43
Bottom Solder:
  rectangle: 387.8,3404.06 533.46,3482.8
  lines w7.87: 387.8,3411.93 ccw(c395.67,3411.93) 395.67,3404.06 525.59,3404.06 ccw(c525.59,3411.93) 533.46,3411.93 533.46,3474.92 ccw(c525.59,3474.92) 525.59,3482.8 395.67,3482.8 ccw(c395.67,3474.92) 387.8,3474.92 387.8,3411.93
  text "'.Layer_Name'" at 6492.91,-1448.7 h98.43
Drill Guide:
  text "'.Layer_Name'" at 6492.91,-1448.7 h98.43
3D Body:
  text "'.Layer_Name'" at 6494.09,-1450.47 h98.43
Dimension:
  text "'.Layer_Name'" at 6492.91,-1448.7 h98.43
Mechanical 3:
  text "'.Layer_Name'" at 6781.3,-1204.92 h98.43
Mechanical 4:
  text "'.Layer_Name'" at 6781.3,-1204.92 h98.43
Mechanical 8:
  text "'.Layer_Name'" at 6781.3,-1204.92 h98.43
Board Edge:
  lines w10: 290.52,37.15 ccw(c351.49,83.4) 353.35,6.89 2888.78,6.89 ccw(c2895.39,176.89) 3039.37,86.27 cw(c3163.26,8.95) 3162.95,154.98 3479.83,154.98 ; 291.49,36.4 ccw(c203.44,-41.45) 205.71,76.06 130.6,76.06 cw(c126.91,198.82) 4.1,199.46 4.09,3342.17 cw(c159.39,3350.61) 155.04,3506.07 2896.63,3506.07 ; 2895.04,3506.07 cw(c2896.63,3388.11) 3006.81,3430.26 3019,3398.39 ccw(c3124.32,3438.58) 3119.54,3325.95 3158.98,3325.95 3498.03,3325.95 cw(c3495.56,3199.08) 3622.43,3196.61 3622.43,298.67 cw(c3479.83,297.59) 3479.53,154.98
ASM Bottom:
  text "'.Layer_Name'" at 6494.09,-1448.5 h98.43
ASM Top:
  lines w3.94: 3150.78,441.27 3150.78,3053.47 3551.78,3053.47 3551.78,441.27 3150.78,441.27
  text "U16" at 3255.71,2425.59 h39.37 r90
  text "'.Layer_Name'" at 6492.91,-1448.7 h98.43
Sheet:
  drawing of 229 lines, arcs and shapes, not listed
  text "1" at -153.75,5368.19 h70
  text "2" at 2706.25,5368.19 h70
  text "3" at 5586.25,5368.19 h70
  text "4" at 8456.25,5368.19 h70
  text "A" at -1505.75,4462.19 h70
  text "A" at 9794.25,4462.19 h70
  text "Layer" at 4712.21,3771.5 h60
  text "Name" at 5122.12,3771.5 h60
  text "Material" at 6101.85,3771.5 h60
  text "Thickness" at 6961.61,3771.5 h60
  text "Constant" at 7611.45,3771.5 h60
  text "Board Layer Stack" at 8181.31,3771.5 h60
  text "1" at 4712.21,3651.5 h60
  text "Top Overlay" at 5122.12,3651.5 h60
  text "2" at 4712.21,3531.5 h60
  text "Top Solder" at 5122.12,3531.5 h60
  text "Solder Resist" at 6101.85,3531.5 h60
  text "0.010mm" at 6961.61,3531.5 h60
  text "3.5" at 7611.45,3531.5 h60
  text "3" at 4712.21,3411.5 h60
  text "Top Layer" at 5122.12,3411.5 h60
  text "Copper" at 6101.85,3411.5 h60
  text "0.035mm" at 6961.61,3411.5 h60
  text "4" at 4712.21,3291.5 h60
  text "Dielectric Core" at 5122.12,3291.5 h60
  text "FR-4" at 6101.85,3291.5 h60
  text "1.500mm" at 6961.61,3291.5 h60
  text "4.8" at 7611.45,3291.5 h60
  text "5" at 4712.21,3171.5 h60
  text "Bottom Layer" at 5122.12,3171.5 h60
  text "Copper" at 6101.85,3171.5 h60
  text "0.035mm" at 6961.61,3171.5 h60
  text "6" at 4712.21,3051.5 h60
  text "Bottom Solder" at 5122.12,3051.5 h60
  text "Solder Resist" at 6101.85,3051.5 h60
  text "0.010mm" at 6961.61,3051.5 h60
  text "3.5" at 7611.45,3051.5 h60
  text "7" at 4712.21,2931.5 h60
  text "Bottom Overlay" at 5122.12,2931.5 h60
  text "B" at -1505.75,2570.19 h70
  text "B" at 9794.25,2570.19 h70
  text "Fabrication specifications:" at 4628.19,1300.94 h121.88
  text "C" at -1505.75,660.19 h70
  text "C" at 9794.25,660.19 h70
  text "- Copper base 1OZ:  / - PCB Material: Prepeg FR4-Standard / - PCB Tickness: 1.6mm / - PCB Surface: HASL (with lead)" at 4627.95,632.28 h68.12
  text "- Silkscreen Color: White (top and bottom) / - Soldermask Color: Green / - Vias: Force Complete Tenting / - Special: Stack-up (herein included)" at 6899.61,632.28 h68.12
  text "Assembly specifications:" at 4639.02,396.22 h121.88
  text "- Solder composition: Include lead / - Fiducials: 3 top and 3 bottom avaliable / - Check BOM for not placed components" at 4638.78,-272.83 h68.12
  text "SpaceLab - Federal University of Santa Catarina" at 6214.53,-1073.19 h98.43
  text "D" at -1505.75,-1229.81 h70
  text "D" at 9794.25,-1229.81 h70
  text "Project:" at 6214.53,-1250.35 h98.43
  text "OBDH2" at 6529.49,-1250.35 h98.43
  text "Layer:" at 6214.53,-1447.2 h98.43
  text "Designed by:" at 6214.53,-1644.06 h98.43
  text "Project Code:" at 8497.99,-1644.06 h98.43
  text "OBDH2" at 9068.86,-1644.06 h98.43
  text "Andre M. P. Mattos" at 6762.8,-1645.35 h98.43
  text "v0.7" at 7711.61,-1838.27 h98.43
  text "Date:" at 6214.53,-1840.91 h98.43
  text "'.Print_Date'" at 6450.75,-1840.91 h98.43
  text "Version:" at 7356.26,-1840.91 h98.43
  text "Size:" at 8497.99,-1840.91 h98.43
  text "A4" at 8734.21,-1840.91 h98.43
  text "1" at -153.75,-2031.81 h70
  text "2" at 2706.25,-2031.81 h70
  text "3" at 5586.25,-2031.81 h70
  text "4" at 8456.25,-2031.81 h70
Drill Drawing:
  circle w10: c4709.18,1801.32 r26.59
  lines w10: 4682.59,1907.68 4695.88,1907.68 4709.18,1894.38 4722.47,1907.68 4735.77,1907.68 4722.47,1920.97 4735.77,1934.27 4722.47,1934.27 4709.18,1947.56 4695.88,1934.27 4682.59,1934.27 4695.88,1920.97 4682.59,1907.68 ; 4682.59,2067.21 4735.77,2067.21 4709.18,2014.03 4682.59,2067.21 ; 4682.59,2133.69 4735.77,2133.69 4735.77,2186.87 4682.59,2186.87 4682.59,2133.69 ; 4682.59,2253.34 4709.18,2266.63 4735.77,2253.34 4722.47,2279.93 4735.77,2306.52 4709.18,2293.22 4682.59,2306.52 4695.88,2279.93 4682.59,2253.34 ; 4682.59,2399.58 4709.18,2372.99 4735.77,2399.58 4709.18,2426.17 4682.59,2399.58 ; 4682.59,2505.94 4695.88,2505.94 4695.88,2492.64 4722.47,2492.64 4722.47,2505.94 4735.77,2505.94 4735.77,2532.53 4722.47,2532.53 4722.47,2545.82 4695.88,2545.82 4695.88,2532.53 4682.59,2532.53 4682.59,2505.94 ; 4682.59,2612.29 4735.77,2612.29 4735.77,2665.47 4682.59,2665.47 4682.59,2612.29 ; 4693.22,2622.93 4725.13,2622.93 4725.13,2654.84 4693.22,2654.84 4693.22,2622.93
  lines w15: 4634.26,1738.83 9198.69,1738.83 ; 4634.26,2696.05 9198.69,2696.05 ; 5080.16,1619.18 5080.16,2815.7 ; 5562.68,1619.18 5562.68,2815.7 ; 6483.79,1619.18 6483.79,2815.7 ; 6893.79,1619.18 6893.79,2815.7 ; 7485.61,1619.18 7485.61,2815.7 ; 8685.82,1619.18 8685.82,2815.7 ; 4634.26,1619.18 9198.69,1619.18 9198.69,2815.7 4634.26,2815.7 4634.26,1619.18
  text "Symbol" at 4706.05,2731.95 h57.43
  text "Count" at 5116.05,2731.95 h57.43
  text "Hole Size" at 5598.58,2731.95 h57.43
  text "Plated" at 6519.69,2731.95 h57.43
  text "Hole Type" at 6929.69,2731.95 h57.43
  text "Drill Layer Pair" at 7521.5,2731.95 h57.43
  text "Via/Pad" at 8721.71,2731.95 h57.43
  text "247" at 5116.05,2612.29 h47.86
  text "0.300mm (11.81mil)" at 5598.58,2612.29 h47.86
  text "PTH" at 6519.69,2612.29 h47.86
  text "Round" at 6929.69,2612.29 h47.86
  text "Top Layer - Bottom Layer" at 7521.5,2612.29 h47.86
  text "Via" at 8721.71,2612.29 h47.86
  text "46" at 5116.05,2492.64 h47.86
  text "0.400mm (15.75mil)" at 5598.58,2492.64 h47.86
  text "PTH" at 6519.69,2492.64 h47.86
  text "Round" at 6929.69,2492.64 h47.86
  text "Top Layer - Bottom Layer" at 7521.5,2492.64 h47.86
  text "Via" at 8721.71,2492.64 h47.86
  text "51" at 5116.05,2372.99 h47.86
  text "0.500mm (19.69mil)" at 5598.58,2372.99 h47.86
  text "PTH" at 6519.69,2372.99 h47.86
  text "Round" at 6929.69,2372.99 h47.86
  text "Top Layer - Bottom Layer" at 7521.5,2372.99 h47.86
  text "Pad" at 8721.71,2372.99 h47.86
  text "1" at 5116.05,2253.34 h47.86
  text "0.508mm (20.00mil)" at 5598.58,2253.34 h47.86
  text "PTH" at 6519.69,2253.34 h47.86
  text "Round" at 6929.69,2253.34 h47.86
  text "Top Layer - Bottom Layer" at 7521.5,2253.34 h47.86
  text "Pad" at 8721.71,2253.34 h47.86
  text "114" at 5116.05,2133.69 h47.86
  text "0.900mm (35.43mil)" at 5598.58,2133.69 h47.86
  text "PTH" at 6519.69,2133.69 h47.86
  text "Round" at 6929.69,2133.69 h47.86
  text "Top Layer - Bottom Layer" at 7521.5,2133.69 h47.86
  text "Pad" at 8721.71,2133.69 h47.86
  text "18" at 5116.05,2014.03 h47.86
  text "1.000mm (39.37mil)" at 5598.58,2014.03 h47.86
  text "PTH" at 6519.69,2014.03 h47.86
  text "Round" at 6929.69,2014.03 h47.86
  text "Top Layer - Bottom Layer" at 7521.5,2014.03 h47.86
  text "Pad" at 8721.71,2014.03 h47.86
  text "2" at 5116.05,1894.38 h47.86
  text "1.190mm (46.85mil)" at 5598.58,1894.38 h47.86
  text "NPTH" at 6519.69,1894.38 h47.86
  text "Round" at 6929.69,1894.38 h47.86
  text "Top Layer - Bottom Layer" at 7521.5,1894.38 h47.86
  text "Pad" at 8721.71,1894.38 h47.86
  text "8" at 5116.05,1774.73 h47.86
  text "3.200mm (125.98mil)" at 5598.58,1774.73 h47.86
  text "PTH" at 6519.69,1774.73 h47.86
  text "Round" at 6929.69,1774.73 h47.86
  text "Top Layer - Bottom Layer" at 7521.5,1774.73 h47.86
  text "Pad" at 8721.71,1774.73 h47.86
  text "487 Total" at 5116.05,1655.08 h47.86
  text "'.Layer_Name'" at 6492.91,-1448.7 h98.43
  text "'.Layer_Name'" at 6492.91,-1448.7 h98.43

## Dimensions
3500.27,3329.34 to 3631.89,3509.84 on Dimension
3001.97,0 to 2892.72,3509.84 on Dimension
3633.76,3196.53 to 2892.72,3509.84 on Dimension
0,187.99 to 343.5,-0.98 on Dimension
343.5,-0.98 to 2925.06,-6.09 on Dimension
0,187.99 to 3627.04,221.46 on Dimension
2925.06,1.78 to 3627.04,299.36 on Dimension
2921.46,0.25 to 3497.28,148.93 on Dimension
3494.45,148.06 to 3500.78,3196.53 on Dimension

## Text inside footprints (layer, text, board x,y; h text height)
P3: Top Overlay "2" at 1087.6,2273.33 h39.37; Top Overlay "1" at 605.31,2268.33 h39.37
PC104: Top Overlay "1" at 3395.67,3078.74 h29.53 r90; Top Overlay "2" at 3597.44,2986.61 h29.53 r90; Top Overlay "2" at 3322.24,3076.38 h29.53 r90; Top Overlay "1" at 3123.43,2994.09 h29.53 r90; Top Overlay "52" at 3595.87,466.14 h29.53 r90; Top Overlay "51" at 3415.16,381.89 h29.53 r90; Top Overlay "51" at 3135.24,470.87 h29.53 r90; Top Overlay "52" at 3322.64,374.41 h29.53 r90; Top Overlay "H2" at 3355.31,3104.33 h29.53; Top Overlay "H1" at 3153.54,3087.6 h29.53